# Altium PCB PCB (aXe-TP430s in Konflikt stehende Kopie 2017-02-18).PcbDoc (part 1 of 2) (continued)
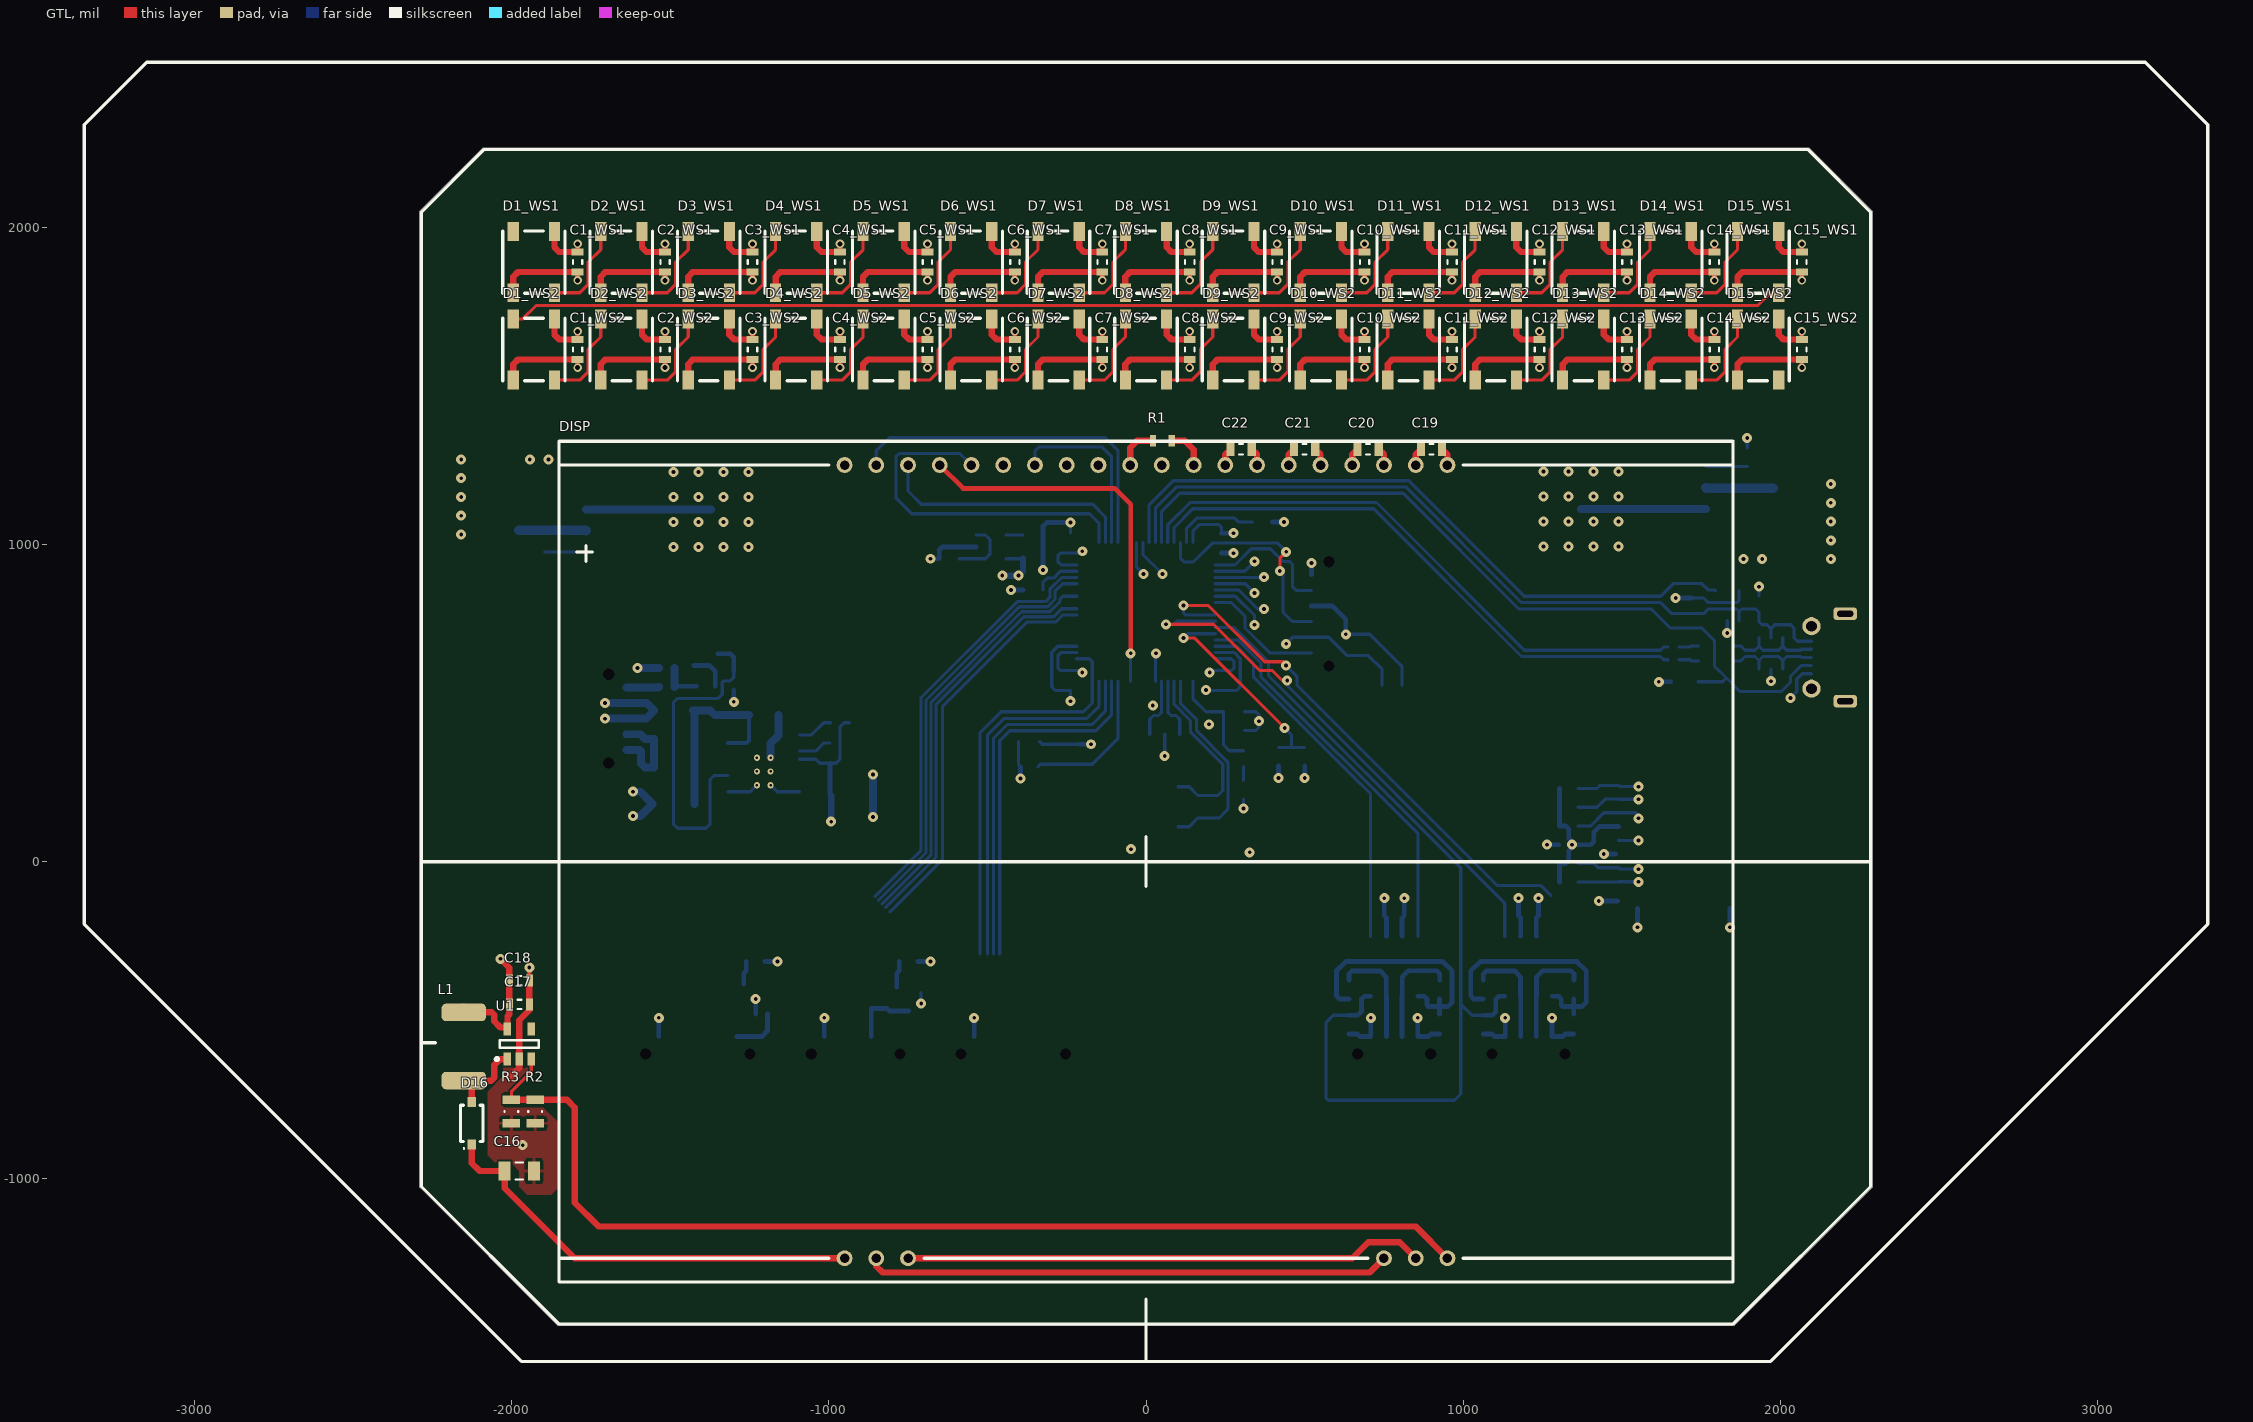
[diagram p0: GTL view]
## Components (designator, comment, footprint, x,y, rotation, side; value= is the part's Value field where it differs from the comment)
C1_WS1 "100nF" C0603H08_M -1791.34,1889.76 r270 top (schematic designator C1)
C1_WS2 "100nF" C0603H08_M -1791.34,1614.17 r270 top (schematic designator C1)
C2_WS1 "100nF" C0603H08_M -1515.75,1889.76 r270 top (schematic designator C2)
C2_WS2 "100nF" C0603H08_M -1515.75,1614.17 r270 top (schematic designator C2)
C3_WS1 "100nF" C0603H08_M -1240.16,1889.76 r270 top (schematic designator C3)
C3_WS2 "100nF" C0603H08_M -1240.16,1614.17 r270 top (schematic designator C3)
C4_WS1 "100nF" C0603H08_M -964.57,1889.76 r270 top (schematic designator C4)
C4_WS2 "100nF" C0603H08_M -964.57,1614.17 r270 top (schematic designator C4)
C5_WS1 "100nF" C0603H08_M -688.98,1889.76 r270 top (schematic designator C5)
C5_WS2 "100nF" C0603H08_M -688.98,1614.17 r270 top (schematic designator C5)
C6_WS1 "100nF" C0603H08_M -413.39,1889.76 r270 top (schematic designator C6)
C6_WS2 "100nF" C0603H08_M -413.39,1614.17 r270 top (schematic designator C6)
C7_WS1 "100nF" C0603H08_M -137.8,1889.76 r270 top (schematic designator C7)
C7_WS2 "100nF" C0603H08_M -137.8,1614.17 r270 top (schematic designator C7)
C8_WS1 "100nF" C0603H08_M 137.8,1889.76 r270 top (schematic designator C8)
C8_WS2 "100nF" C0603H08_M 137.8,1614.17 r270 top (schematic designator C8)
C9_WS1 "100nF" C0603H08_M 413.39,1889.76 r270 top (schematic designator C9)
C9_WS2 "100nF" C0603H08_M 413.39,1614.17 r270 top (schematic designator C9)
C10_WS1 "100nF" C0603H08_M 688.98,1889.76 r270 top (schematic designator C10)
C10_WS2 "100nF" C0603H08_M 688.98,1614.17 r270 top (schematic designator C10)
C11_WS1 "100nF" C0603H08_M 964.57,1889.76 r270 top (schematic designator C11)
C11_WS2 "100nF" C0603H08_M 964.57,1614.17 r270 top (schematic designator C11)
C12_WS1 "100nF" C0603H08_M 1240.16,1889.76 r270 top (schematic designator C12)
C12_WS2 "100nF" C0603H08_M 1240.16,1614.17 r270 top (schematic designator C12)
C13_WS1 "100nF" C0603H08_M 1515.75,1889.76 r270 top (schematic designator C13)
C13_WS2 "100nF" C0603H08_M 1515.75,1614.17 r270 top (schematic designator C13)
C14_WS1 "100nF" C0603H08_M 1791.34,1889.76 r270 top (schematic designator C14)
C14_WS2 "100nF" C0603H08_M 1791.34,1614.17 r270 top (schematic designator C14)
C15_WS1 "100nF" C0603H08_M 2066.93,1889.76 r270 top (schematic designator C15)
C15_WS2 "100nF" C0603H08_M 2066.93,1614.17 r270 top (schematic designator C15)
C16 "220nF" C0805H085_L -1975,-975 r180 top
C17 "100nF" C0603H08_M -1975,-450 r0 top
C18 "1µF" C0603H08_M -1975,-375 r0 top
C19 "4.7µF" C0603H08_L 900,1300 r0 top
C20 "4.7µF" C0603H08_L 700,1300 r0 top
C21 "4.7µF" C0603H08_L 500,1300 r0 top
C22 "4.7µF" C0603H08_L 300,1300 r0 top
C23 "6pF" C0603H08_L 190.95,104.33 r90 bottom
C24 "6pF" C0603H08_L 190.95,242.13 r90 bottom
C25 "2.2µF" C0603H08_M 366.14,1070.87 r0 bottom
C26 "2.2µF" C0603H08_M -356.3,856.3 r180 bottom
C27 "100nF" C0603H08_M 775.59,555.12 r0 bottom
C28 "4.7µF" C0603H08_L -368.11,377.95 r0 bottom
C29 "4.7µF" C0603H08_L -269.68,338.58 r90 bottom
C30 "4.7µF" C0603H08_L 277.56,413.39 r0 bottom
C31 "100nF" C0603H08_M -210.63,338.58 r90 bottom
C32 "4.7µF" C0603H08_L 277.56,472.44 r0 bottom
C33 "100nF" C0603H08_M -238.19,570.87 r90 bottom
C34 "100nF" C0603H08_M 238.19,570.87 r270 bottom
C35 "100nF" C0603H08_M -238.19,1003.94 r90 bottom
C36 "100nF" C0603H08_M 238.19,1003.94 r270 bottom
C37 "2.2µF" C0603H08_M 1931.85,806.5 r270 bottom
C38 "100nF" C0603H08_M 1332.68,53.54 r180 bottom
C40 "10µF 16V Tantal" C1206H08_M 2031.5,1177.17 r0 bottom
C41 "10µF 16V Tantal" C1206H08_M -2031.5,1044.29 r180 bottom
C42 "100µF" C1210_TANTAL_M 2031.5,1062.99 r0 bottom
C43 "100µF" C1210_TANTAL_M -2031.5,1158.46 r180 bottom
C44 "10µF" C0603H08_L 2031.5,952.76 r0 bottom
C45 "10µF" C0603H08_L -2031.5,1268.7 r180 bottom
C46 "100nF" C0603H08_M 782.48,-152.56 r0 bottom
C47 "100nF" C0603H08_M 1205.71,-152.56 r0 bottom
C48 "100nF" C0603H08_M 925.2,-511.81 r270 bottom
C49 "100nF" C0603H08_M 1348.43,-511.81 r270 bottom
C51 "47µF" C1210_TANTAL_M -1489.17,182.09 r180 bottom
C52 "220nF" C0805H085_L -1204.72,461.61 r180 bottom
C53 "100nF" C0603H08_M -964.57,374.02 r180 bottom
C54 "22µF" C1210H125_M -926.18,207.68 r0 bottom
C55 "100nF" C0603H08_M -964.57,310.04 r180 bottom
C56 "2.2µF" C0603H08_M -356.3,954.72 r180 bottom
C57 "10nF" C0603H08_M -356.3,1029.53 r0 bottom
C58 "2.2µF" C0603H08_M -620.08,954.72 r0 bottom
CAN1 "DF13-4P-1.25H(20)" DF13-4P-1.25H(20) 757.87,-551.18 r0 bottom
CAN2 "DF13-4P-1.25H(20)" DF13-4P-1.25H(20) 1181.1,-551.18 r0 bottom
CMC1 "WURTH ELEKTRONIK - 744232090 - SIGNALFILTER, SMD, 90OHM, 370MA" "Murata 1206 CMC" 1851.38,680.12 r180 bottom
D1_WS1 "WS2812B" WS2812B -1929.13,1889.76 r90 top (schematic designator D1)
D1_WS2 "WS2812B" WS2812B -1929.13,1614.17 r90 top (schematic designator D1)
D2_WS1 "WS2812B" WS2812B -1653.54,1889.76 r90 top (schematic designator D2)
D2_WS2 "WS2812B" WS2812B -1653.54,1614.17 r90 top (schematic designator D2)
D3_WS1 "WS2812B" WS2812B -1377.95,1889.76 r90 top (schematic designator D3)
D3_WS2 "WS2812B" WS2812B -1377.95,1614.17 r90 top (schematic designator D3)
D4_WS1 "WS2812B" WS2812B -1102.36,1889.76 r90 top (schematic designator D4)
D4_WS2 "WS2812B" WS2812B -1102.36,1614.17 r90 top (schematic designator D4)
D5_WS1 "WS2812B" WS2812B -826.77,1889.76 r90 top (schematic designator D5)
D5_WS2 "WS2812B" WS2812B -826.77,1614.17 r90 top (schematic designator D5)
D6_WS1 "WS2812B" WS2812B -551.18,1889.76 r90 top (schematic designator D6)
D6_WS2 "WS2812B" WS2812B -551.18,1614.17 r90 top (schematic designator D6)
D7_WS1 "WS2812B" WS2812B -275.59,1889.76 r90 top (schematic designator D7)
D7_WS2 "WS2812B" WS2812B -275.59,1614.17 r90 top (schematic designator D7)
D8_WS1 "WS2812B" WS2812B 0,1889.76 r90 top (schematic designator D8)
D8_WS2 "WS2812B" WS2812B 0,1614.17 r90 top (schematic designator D8)
D9_WS1 "WS2812B" WS2812B 275.59,1889.76 r90 top (schematic designator D9)
D9_WS2 "WS2812B" WS2812B 275.59,1614.17 r90 top (schematic designator D9)
D10_WS1 "WS2812B" WS2812B 551.18,1889.76 r90 top (schematic designator D10)
D10_WS2 "WS2812B" WS2812B 551.18,1614.17 r90 top (schematic designator D10)
D11_WS1 "WS2812B" WS2812B 826.77,1889.76 r90 top (schematic designator D11)
D11_WS2 "WS2812B" WS2812B 826.77,1614.17 r90 top (schematic designator D11)
D12_WS1 "WS2812B" WS2812B 1102.36,1889.76 r90 top (schematic designator D12)
D12_WS2 "WS2812B" WS2812B 1102.36,1614.17 r90 top (schematic designator D12)
D13_WS1 "WS2812B" WS2812B 1377.95,1889.76 r90 top (schematic designator D13)
D13_WS2 "WS2812B" WS2812B 1377.95,1614.17 r90 top (schematic designator D13)
D14_WS1 "WS2812B" WS2812B 1653.54,1889.76 r90 top (schematic designator D14)
D14_WS2 "WS2812B" WS2812B 1653.54,1614.17 r90 top (schematic designator D14)
D15_WS1 "WS2812B" WS2812B 1929.13,1889.76 r90 top (schematic designator D15)
D15_WS2 "WS2812B" WS2812B 1929.13,1614.17 r90 top (schematic designator D15)
D16 "LS MBR0540" SOD123_H -2125,-825 r90 top
D17 "LS CD0603" "CD 0603" 307.09,324.8 r90 bottom
D18 "WURTH ELEKTRONIK - 824015 - DIODENARRAY, TVS" SOT95P255X116-6N 1969.49,656.5 r90 bottom
D19 "LS CD0603" "CD 0603" 1721.85,806.5 r270 bottom
D20 "LS PMEG6020ER" SOD-123W -1489.17,297.24 r180 bottom
D21 "LS PMEG6020ER" SOD-123W -1489.17,386.81 r180 bottom
D22 "LS CD0603" "CD 0603" -1510.83,551.18 r0 bottom
D23 "LS PMEG6020ER" SOD-123W -1489.17,476.38 r180 bottom
D24 "LS CD0603" "CD 0603" -1510.83,610.24 r0 bottom
D25 "Diode Array BAT_54C" SOT95P245X110-3N -1386.81,655.51 r0 bottom
DISP "EA DOGXL240-7" "DOGXL240*-7 + LED" 0,0 r0 top locked
GPS "DF13-6P-1.25H(20)" DF13-6P-1.25H(20) -1387.8,-551.18 r0 bottom
IC1 "CAN Transceiver SN65HVD1040A" SOIC127P600X175-8N 782.48,-329.72 r270 bottom
IC2 "CAN Transceiver SN65HVD1040A" SOIC127P600X175-8N 1205.71,-329.72 r270 bottom
ISP "DF13-6P-1.25H(20)" DF13-6P-1.25H(20) 521.85,805.71 r90 bottom
L1 "IND DO1608C-473M 47µH 500mA" DO1608C -2150,-689.96 r90 top value=47µH
L2 "742792515" R0603H05_L -368.11,299.21 r0 bottom
P_IN "DF13-5P-1.25H(20)" DF13-5P-1.25H(20) -1637.8,450.79 r270 bottom
Q1 "Enhanced single channel power switches" SOT-23-5 1831.85,806.5 r90 bottom
Q2 "Enhanced single channel power switches" SOT-23-5 -1230.31,-433.07 r90 bottom
Q3 "2N7002" SOT95P245X110-3N -748.03,-433.07 r270 bottom
R1 "10M" R0603H05_M 51.85,1326.5 r180 top
R2 ".Resistor" R0805H05_M -1925,-787.4 r90 top
R3 ".Resistor" R0805H05_M -2000,-787.4 r90 top
R4 ".Resistor" R0603H05_M 500,330.71 r90 bottom
R5 ".Resistor" R0603H05_M 417.32,330.71 r270 bottom
R6 ".Resistor" R0603H05_M 307.09,226.38 r90 bottom
R7 "Varistor 0805 4V WE 82550040" "Varistor 0805" 1696.85,566.93 r180 bottom
R8 ".Resistor" R0603H05_M 1332.68,230.71 r0 bottom
R9 ".Resistor" R0603H05_M 1332.68,171.65 r0 bottom
R10 ".Resistor" R0603H05_M 1332.68,112.6 r0 bottom
R11 ".Resistor" R0603H05_M 1332.68,-5.51 r0 bottom
R12 ".Resistor" R0603H05_M 1332.68,-64.57 r0 bottom
R13 "22R" R0402H04_M 1661.85,676.5 r180 bottom
R14 "22R" R0402H04_M 1661.85,636.5 r180 bottom
R15 "1k" R0603H05_M 1894.68,1274.61 r270 bottom
R16 "1k" R0603H05_M -1894.69,946.85 r90 bottom
R17 ".Resistor" R0603H05_M 925.2,-403.54 r270 bottom
R18 ".Resistor" R0603H05_M 1348.43,-403.54 r270 bottom
R19 ".Resistor" R0603H05_M 639.76,-403.54 r270 bottom
R20 ".Resistor" R0603H05_M 1062.99,-403.54 r270 bottom
R21 ".Resistor" R0603H05_M 639.76,-513.78 r270 bottom
R22 ".Resistor" R0603H05_M 1062.99,-513.78 r270 bottom
R23 "1k" R0603H05_M -1230.31,-314.96 r0 bottom
R24 ".Resistor" R0603H05_M -866.14,-433.07 r270 bottom
R25 ".Resistor" R0603H05_M -748.03,-314.96 r180 bottom
R26 ".Resistor" R0603H05_M -1386.81,553.15 r0 bottom
R27 "10k" R0603H05_M -1299.21,570.87 r90 bottom
R28 "10k" R0603H05_M -964.57,437.99 r0 bottom
RaceDAC "DF13-5P-1.25H(20)" DF13-5P-1.25H(20) -915.35,-551.18 r0 bottom
RF-868P_LR "DF13-6P-1.25H(20)" DF13-6P-1.25H(20) -393.7,-551.18 r0 bottom
U1 "CAT4238" SOT-23-5 -1975,-575 r90 top
U2 "STM32F405RGT6" STM-LQFP64_N 0,787.4 r90 bottom locked
U3 "MIC29151-5.0" "5-Pin TO-263" 1518.7,1111.22 r180 bottom
U4 "MIC29151-5.0" "5-Pin TO-263" -1518.7,1110.24 r0 bottom
U5 "TPS7B6750" TSOP65P640X120_HS-21N -1204.72,284.45 r180 bottom
U6 "LDO TPS799xx Ultra Low Noise, HIGH PSRR, 200mA" SOT-23-5 -488.19,992.13 r0 bottom
USB "Molex Micro USB B" "Micro USB Molex" 2203.74,781.5 r270 bottom
X1 "ABRACON - ABS25-32.768KHZ-6-1-T - QUARZ, 32.768KHZ, 6PF, SMD" "Abracon ABS25 Series Crystal" -7.87,173.23 r180 bottom value=32.768khz
X2 "8MHz, 33pF" CSTCE_G15 59.06,401.57 r0 bottom value=8Mhz
µSD "Micro SD Connector" "Micro SD Connector 502774" 1490.16,-109.84 r90 bottom locked

## Footprints (in the part's own frame and the unit in brackets; to place one, negate y for a bottom-side part, rotate by r counter-clockwise, add the part's x,y. Pads: shape width x height; smd on the part's side, far side on the other; paste and mask are expansions set on the pad)
"5-Pin TO-263" [mm] "D2-PAK, 6-Pads, Body 7,68x8,69mm (max), IPC Medium Density"
  rect 4.15x1 smd: 1(-6.25,3.4) 2(-6.25,1.7) 3(-6.25,0) 4(-6.25,-1.7) 5(-6.25,-3.4)
  rect 9.1x10.05 smd: 6(3.75,0)
  silkscreen extent -6.38,-5.35 -1.2,5.35, body extent -6.9,-5.08 7.11,5.08, height 4.56
"Abracon ABS25 Series Crystal" [mm]
  rect 1.3x1.9 smd: 1(-2.75,-1.6) 2(2.75,-1.6) 3(2.75,1.6) 4(-2.75,1.6)
  silkscreen extent -4.2,-2.2 4.2,2.2, body extent -4,-2 4,2, height 2.7
C0603H08_L [mm] "Chip Capacitor, 2-Leads, Body 1,60x0,80mm, IPC Low Density"
  rect 0.65x1.05 smd: 1(-0.85,0) 2(0.85,0)
  silkscreen extent -0.15,-0.43 0.15,0.43, body extent -0.85,-0.45 0.85,0.45, height 0.8
C0603H08_M [mm] "Chip Capacitor, 2-Leads, Body 1,60x0,80mm, IPC Medium Density"
  rect 0.55x0.95 smd: 1(-0.8,0) 2(0.8,0)
  silkscreen extent -0.15,-0.38 0.15,0.38, body extent -0.85,-0.45 0.85,0.45, height 0.8
C0805H085_L [mm] "Chip Capacitor, 2-Leads, Body 2,00x1,25mm, IPC Low Density"
  rect 0.95x1.55 smd: 1(-1.175,0) 2(1.175,0)
  silkscreen extent -0.3,-0.67 0.3,0.67, body extent -1.1,-0.72 1.1,0.72, height 0.85
C1206H08_M [mm] "Chip Capacitor, 2-Leads, Body 3,20x1,60mm, IPC Medium Density"
  rect 1.3x1.8 smd: 1(-1.4,0) 2(1.4,0)
  silkscreen extent -0.35,-0.8 0.35,0.8, body extent -1.7,-0.9 1.7,0.9, height 0.8
C1210_TANTAL_M [mm] "Tantal Capacitor, 2-Leads, Body 3,20x2,50mm, IPC Medium Density"
  rect 0.95x2.8 smd: 1(-1.675,0) 2(1.675,0)
  silkscreen extent -2,-1.3 0.8,2.25, body extent -1.85,-1.46 1.85,1.47, height 2.03
C1210H125_M [mm] "Chip Capacitor, 2-Leads, Body 3,20x2,50mm, IPC Medium Density"
  rect 0.95x2.8 smd: 1(-1.675,0) 2(1.675,0)
  silkscreen extent -0.8,-1.3 0.8,1.3, body extent -1.8,-1.4 1.8,1.4, height 1.25
"CD 0603" [mm]
  rect 1x1 smd: 1(-0.625,0) 2(0.625,0)
  body extent -0.9,-0.5 0.9,0.5, height 0.85
CSTCE_G15 [mm]
  rect 0.4x2.1 smd: 1(-1.2,0) 2(0,0) 3(1.2,0)
  silkscreen extent -1.6,-0.72 1.6,0.72, body extent -1.6,-0.65 1.6,0.65, height 0.7
DF13-4P-1.25H(20) [mm] "SMT Type Right Angle"
  rect 0.7x1.8 smd: 1(2.5,0) 2(1.25,0) 3(0,0) 4(-1.25,0)
  rect 1.6x2.2 smd: ""(-3.45,3.3) ""(4.7,3.3)
  round 0 hole 0.9 unplated: ""(-2.3,1.4) ""(3.55,1.4)
  body extent -4.2,-0.5 5.45,6, height 3.58
DF13-5P-1.25H(20) [mm] "SMT Type Right Angle"
  rect 0.7x1.8 smd: 1(2.5,0) 2(1.25,0) 3(0,0) 4(-1.25,0) 5(-2.5,0)
  rect 1.6x2.2 smd: ""(-4.7,3.3) ""(4.7,3.3)
  round 0 hole 0.9 unplated: ""(-3.55,1.4) ""(3.55,1.4)
  body extent -5.45,-0.5 5.45,6, height 3.58
DF13-6P-1.25H(20) [mm] "SMT Type Right Angle"
  rect 0.7x1.8 smd: 1(2.5,0) 2(1.25,0) 3(0,0) 4(-1.25,0) 5(-2.5,0) 6(-3.75,0)
  rect 1.6x2.2 smd: ""(-5.95,3.3) ""(4.7,3.3)
  round 0 hole 0.9 unplated: ""(-4.8,1.4) ""(3.55,1.4)
  body extent -6.7,-0.5 5.45,6, height 3.58
DO1608C [mm]
  rrect50% 1.4x3.56 smd: 1(0,0) 2(5.46,0)
  body extent -0.55,-2.22 6.05,2.23, height 2.92
"DOGXL240*-7 + LED" [mil] "incl. LED-Beleuchtung ohne Tuch"
  round 50 hole 30: 1(-950,-1250) 2(-850,-1250) 3(-750,-1250) 18(750,-1250) 19(850,-1250) 20(950,-1250) 21(950,1250) 22(850,1250) 23(750,1250) 24(650,1250) 25(550,1250) 26(450,1250) 27(350,1250) 28(250,1250) 29(150,1250) 30(50,1250) 31(-50,1250) 32(-150,1250) 33(-250,1250) 34(-350,1250) 35(-450,1250) 36(-550,1250) 37(-650,1250) 38(-750,1250) 39(-850,1250) 40(-950,1250)
  silkscreen extent -1850,-1325 1850,1325, body extent -1850,-1250 1850,1250, height 228
"Micro SD Connector 502774" [mm]
  rect 0.8x1.5 smd: 1(8.9,0) 2(7.8,0) 3(6.7,0) 4(5.6,0) 5(4.5,0) 6(3.4,0) 7(2.3,0) 8(1.2,0)
  rect 1.29x1.3 smd: 9(-0.96,1.5) 10(-0.96,8.9)
  rect 1.5x1.7 smd: 11(-0.54,14.95) 11(12.45,14.95)
  rect 1.6x1.3 smd: 11(-0.35,-0.1)
  rect 1.7x1.5 smd: 11(12.45,0)
  silkscreen extent -1,2.45 11.42,20.15, body extent -1.15,-0.6 13.15,17.45, height 1.78
"Micro USB Molex" [mm]
  rect 0.4x1.35 smd: 1(2.2,2.7) 2(2.85,2.7) 3(3.5,2.7) 4(4.15,2.7) 5(4.8,2.7)
  rrect50% 1x1.9 hole 0.5 slot 1.3 at 90 deg: 6(0,0) 6(7,0)
  rect 1x1.9 smd: 6(0.625,0) 6(6.375,0)
  round 1.45 hole 0.85: 6(1,2.7) 6(6,2.7)
  silkscreen extent -0.87,-2.02 7.9,2.8, body extent -0.6,-2.65 7.6,2.78, height 2.68
"Murata 1206 CMC" [mm]
  rect 0.9x0.9 smd: 1(0,0) 2(2.8,0) 3(2.8,-1.2) 4(0,-1.2)
  silkscreen extent 0.7,-1.5 2.1,0.2, body extent -0.2,-1.41 3,0.21, height 1.94
R0402H04_M [mm] "Chip Resistor, 2-Leads, Body 1,00x0,50mm, IPC Medium Density"
  rect 0.4x0.6 smd: 1(-0.45,0) 2(0.45,0)
  body extent -0.52,-0.28 0.53,0.27, height 0.4
R0603H05_L [mm] "Chip Resistor, 2-Leads, Body 1,57x0,85mm, IPC Low Density"
  rect 0.9x1.05 smd: 1(-0.7,0) 2(0.7,0)
  body extent -0.82,-0.48 0.82,0.47, height 0.5
R0603H05_M [mm] "Chip Resistor, 2-Leads, Body 1,57x0,85mm, IPC Medium Density"
  rect 0.5x0.95 smd: 1(-0.75,0) 2(0.75,0)
  body extent -0.82,-0.48 0.82,0.48, height 0.5
R0805H05_M [mm] "Chip Resistor, 2-Leads, Body 2,05x1,25mm, IPC Medium Density"
  rect 0.7x1.4 smd: 1(-0.95,0) 2(0.95,0)
  silkscreen extent -0.05,-0.55 0.05,0.55, body extent -1.1,-0.7 1.1,0.7, height 0.5
SOD123_H [mm] "SOD, 2-Leads, Body 1,60x3,75mm, IPC High Density"
  rect 0.8x0.65 smd: 1(-1.7,0) 2(1.7,0)
  silkscreen extent -2.05,-0.9 1.45,0.9, body extent -1.85,-0.8 1.85,0.8, height 1.25
SOD-123W [mm] "SODFL, 2-Leads, Body 1,70x3,50mm, IPC Medium Density"
  rect 1x1.1 smd: 1(-1.55,0) 2(1.55,0)
  silkscreen extent -2,0.8 -1.9,0.9, body extent -1.85,-0.8 1.85,0.8, height 1.25
SOIC127P600X175-8N [mm] "SOIC, 8-Leads, Body 4,90x3,90mm, Pitch 1,27mm, IPC Medium Density"
  rect 2.2x0.6 smd: 1(-2.4,1.905) 2(-2.4,0.635) 3(-2.4,-0.635) 4(-2.4,-1.905) 5(2.4,-1.905) 6(2.4,-0.635) 7(2.4,0.635) 8(2.4,1.905)
  silkscreen extent -2.52,-2.5 0.9,2.88, body extent -3,-2.45 3,2.45, height 1.75
SOT95P245X110-3N [mm] "SOT23, 3-Leads, Body 2,95x2,45mm, Pitch 0,95mm, IPC Medium Density"
  rect 1.5x0.55 smd: 1(-0.95,0.95) 2(-0.95,-0.95) 3(0.95,0)
  silkscreen extent -1.07,-1.55 0.7,1.9, body extent -1.4,-1.45 1.4,1.45, height 1.3
SOT95P255X116-6N [mm] "SOT23, 6-Leads, Body 2,90x2,55mm, Pitch 0,95mm, IPC Medium Density"
  rect 1.1x0.6 smd: 1(-1.25,0.95) 2(-1.25,0) 3(-1.25,-0.95) 4(1.25,-0.95) 5(1.25,0) 6(1.25,0.95)
  silkscreen extent -1.37,-1.5 0.5,1.93, body extent -1.4,-1.45 1.4,1.45, height 1.45
SOT-23-5 [mm] "SOT23, 5-Leads, Body 2,90x2,80mm, Pitch 0,95mm, IPC Medium Density"
  rect 1.05x0.6 smd: 1(-1.2,0.95) 2(-1.2,0) 3(-1.2,-0.95) 4(1.2,-0.95) 5(1.2,0.95)
  silkscreen extent -1.32,-1.55 0.3,1.93, body extent -1.25,-1.5 1.25,1.5, height 1.06
STM-LQFP64_N [mm] "Thin QFP, 64-Leads, Body 10x10mm, Pitch 0.5mm, IPC Medium Density"
  oval 1.8x0.3 smd: 1(-5.55,3.75) 2(-5.55,3.25) 3(-5.55,2.75) 4(-5.55,2.25) 5(-5.55,1.75) 6(-5.55,1.25) 7(-5.55,0.75) 8(-5.55,0.25) 9(-5.55,-0.25) 10(-5.55,-0.75) 11(-5.55,-1.25) 12(-5.55,-1.75) 13(-5.55,-2.25) 14(-5.55,-2.75) 15(-5.55,-3.25) 16(-5.55,-3.75) 33(5.55,-3.75) 34(5.55,-3.25) 35(5.55,-2.75) 36(5.55,-2.25) 37(5.55,-1.75) 38(5.55,-1.25) 39(5.55,-0.75) 40(5.55,-0.25) 41(5.55,0.25) 42(5.55,0.75) 43(5.55,1.25) 44(5.55,1.75) 45(5.55,2.25) 46(5.55,2.75) 47(5.55,3.25) 48(5.55,3.75)
  oval 0.3x1.8 smd: 17(-3.75,-5.55) 18(-3.25,-5.55) 19(-2.75,-5.55) 20(-2.25,-5.55) 21(-1.75,-5.55) 22(-1.25,-5.55) 23(-0.75,-5.55) 24(-0.25,-5.55) 25(0.25,-5.55) 26(0.75,-5.55) 27(1.25,-5.55) 28(1.75,-5.55) 29(2.25,-5.55) 30(2.75,-5.55) 31(3.25,-5.55) 32(3.75,-5.55) 49(3.75,5.55) 50(3.25,5.55) 51(2.75,5.55) 52(2.25,5.55) 53(1.75,5.55) 54(1.25,5.55) 55(0.75,5.55) 56(0.25,5.55) 57(-0.25,5.55) 58(-0.75,5.55) 59(-1.25,5.55) 60(-1.75,5.55) 61(-2.25,5.55) 62(-2.75,5.55) 63(-3.25,5.55) 64(-3.75,5.55)
  silkscreen extent -5.67,-4.25 4.25,4.58, body extent -6,-6 6,6, height 1.5
TSOP65P640X120_HS-21N [mm] "TSOP, 20-Leads, Body 6,50x4,40mm, Pitch 0,65mm, Thermal Pad 3,40.2x2,40.2mm, IPC Medium Density"
  oval 1.7x0.35 smd: 1(-2.85,2.925) 2(-2.85,2.275) 3(-2.85,1.625) 4(-2.85,0.975) 5(-2.85,0.325) 6(-2.85,-0.325) 7(-2.85,-0.975) 8(-2.85,-1.625) 9(-2.85,-2.275) 10(-2.85,-2.925) 11(2.85,-2.925) 12(2.85,-2.275) 13(2.85,-1.625) 14(2.85,-0.975) 15(2.85,-0.325) 16(2.85,0.325) 17(2.85,0.975) 18(2.85,1.625) 19(2.85,2.275) 20(2.85,2.925)
  rect 2.4x3.4 smd: 21(0,0)
  silkscreen extent -2.98,-3.3 1.6,3.77, body extent -3.27,-3.3 3.28,3.3, height 1.2
"Varistor 0805" [mm]
  rect 0.75x1.3 smd: 1(-1.1,0) 2(1.1,0)
  silkscreen extent -0.35,-0.55 0.35,0.55, body extent -1,-0.62 1,0.63
WS2812B [mm]
  rect 1.5x0.9 smd: 1(-2.45,1.65) 2(-2.45,-1.65) 3(2.45,-1.65) 4(2.45,1.65)
  silkscreen extent -2.5,-2.5 2.5,2.5, body extent -2.7,-2.5 2.7,2.5, height 1.7

## Part data
C1_WS1 C1_WS2 C2_WS1 C2_WS2 C3_WS1 C3_WS2 C4_WS1 C4_WS2 C5_WS1 C5_WS2 C6_WS1 C6_WS2 C7_WS1 C7_WS2 C8_WS1 C8_WS2 C9_WS1 C9_WS2 C10_WS1 C10_WS2 C11_WS1 C11_WS2 C12_WS1 C12_WS2 C13_WS1 C13_WS2 C14_WS1 C14_WS2 C15_WS1 C15_WS2 C17 C27 C31 C33 C34 C35 C36 C38 C46 C47 C48 C49 C53 C55: library part "C 100nF 100V 0603 MLCC X7R", "C 100nF 100V 0603 MLCC X7R", Temperature Coeffizient="0ppm/°C +- 30ppm/°C", Temperature Range="-55°C to +125°C", Tolerance=+-10%, Voltage Rating=100V, Form="0603 [M 1608]", Price=0.044, Series=X7R
C16 C52: library part "C 220nF 50V 0805 MLCC  Y5V", "C 220nF 50V 0805 MLCC  Y5V", Temperature Range="-30°C to +85°C", Tolerance="+80%, -20%", Voltage Rating=50V, Farnell Order Number=1759269, Form="0805 [M 2012]", Price=0.0252, Series=V5Y
C18: library part "C 1µF 6.3V 0603 MLCC X7R", "C 1µF 6.3V 0603 MLCC X7R", Temperature Coeffizient=N/A, Temperature Range="-55°C to +125°C", Tolerance=+-10%, Voltage Rating=6.3V, Farnell=http://de.farnell.com/kemet/c0603c105k9ractu/kondensator-x7r-0603-6-3v-1uf/dp/1865556, Farnell Order Number=1865556, Form="0603 [M 1608]", Price=0.028, Series=X7R
C19 C20 C21 C22 C28 C29 C30 C32: library part "C 4.7µF 6.3V 0603 MLCC X5R", "C 4.7µF 6.3V 0603 MLCC X5R", Temperature Range="-55°C to +85°C", Tolerance=+-10%, Voltage Rating=6.3V, Farnell Order Number=2496930, Form="0603 [M 1608]", Price=0.045, Series=X5R
C23 C24: library part "C 6pF 50V 0603 MLCC C0G/NP0", "C 6pF 50V 0603 MLCC C0G/NP0", Temperature Coeffizient="0ppm/°C +- 30ppm/°C", Temperature Range="-55°C to +125°C", Tolerance=+-0.5pF, Voltage Rating=50V, Farnell Order Number=1759047, Form="0603 [M 1608]", Price=0.009, Series=C0G/NP0
C25 C26 C37 C56 C58: library part "C 2.2µF 6.3V 0603 MLCC X7R", "C 2.2µF 6.3V 0603 MLCC X7R", Temperature Coeffizient=N/A, Temperature Range="-55°C to +125°C", Tolerance=+-10%, Voltage Rating=6.3V, Farnell=http://de.farnell.com/avx/06036c225kat2a/kondensator-2-2-uf-6-3v-0603-x7r/dp/1657930, Farnell Order Number=1657930, Form="0603 [M 1608]", Price=0.131, Series=X7R
C40 C41: library part "_C 1206", mouser=581-TAJA106K016TNJ
C42 C43: library part "CPT 100µF 6.3V 1210 Tantal", "CPT 100µF 6.3V 1210 Tantal", Voltage Rating=6.3V, mouser=http://www.mouser.de/ProductDetail/AVX/TPSB107K006R0400, Mouser Order Number=581-TPSB107K006R0400
C44 C45: library part "C 10µF 6.3V 0603 MLCC X5R", "C 10µF 6.3V 0603 MLCC X5R", Temperature Coeffizient=N/A, Temperature Range="-55°C to + 85°C", Tolerance=+-20%, Voltage Rating=6.3V, Farnell=http://de.farnell.com/avx/06036d106mat2a/kondensator-0603-x5r-6-3v-10uf/dp/1833804, Farnell Order Number=1833804, Form="0603 [M 1608]", Price=0.167, Series=X5R
C51: library part "CPT 100µF 6.3V 1210 Tantal", "CPT 47µF 16V 1210 Tantal", Voltage Rating=16V, Mouser Order Number=581-TCNT476M016R0150
C54: library part "_C 1210", mouser=80-C1210C226K9RAUTO
C57: library part "_C 0603"
CAN1 CAN2: library part "Hirose DF13-4P-1.25H(20)", "Hirose DF13-4P-1.25H(20)", Circuits=4, Connector Orientation="Right Angle", Model=DF13-4P-1.25H(20), Mounting Style=SMT
CMC1: library part "USB CMC 1206 WE 744232090 Chip CommonMod Choke 1206", Farnell=http://de.farnell.com/wurth-elektronik/744232090/signalfilter-smd-90ohm-370ma/dp/1636474, Farnell Order Number=1636474, Price=0.969
D1_WS1 D1_WS2 D2_WS1 D2_WS2 D3_WS1 D3_WS2 D4_WS1 D4_WS2 D5_WS1 D5_WS2 D6_WS1 D6_WS2 D7_WS1 D7_WS2 D8_WS1 D8_WS2 D9_WS1 D9_WS2 D10_WS1 D10_WS2 D11_WS1 D11_WS2 D12_WS1 D12_WS2 D13_WS1 D13_WS2 D14_WS1 D14_WS2 D15_WS1 D15_WS2: "WS2812B RGB LED"
D16: "Schottky Rectifier, 500mA, 40V"
D18: library part "USB TVS Dioden Array 824015", Farnell=http://de.farnell.com/wurth-elektronik/824015/diodenarray-tvs/dp/1748615, Farnell Order Number=1748615, Price=0.866
D20 D21 D23: "Schottky Rectifier, 2A, 60V"
DISP: "240x128"
GPS ISP RF-868P_LR: library part "Hirose DF13-6P-1.25H(20)", "Hirose DF13-6P-1.25H(20)", Circuits=6, Connector Orientation="Right Angle", Model=DF13-6P-1.25H(20), Mounting Style=SMT
IC1 IC2: "EMC-OPTIMIZED HIGH SPEED CAN TRANSCEIVER", Farnell=http://de.farnell.com/texas-instruments/sn65hvd1040aqdrq1/can-transceiver-1mbps-1dr-1rx-soic/dp/2335646, Farnell Order Number=2335646, Price=1.41
L1: "SMT Power Inductors - DO1608 Series"
L2: library part "Ferrit Bead 0603 1000Ohm 300mA", "Ferrit Bead 0603 1000Ohm 300mA", DC Current=300mA, Value @ 100Mhz="1000 Ohm", DC=0.55Ohm, Farnell=http://de.farnell.com/fair-rite/25060310270/ferrite-perle-1000ohm-0-1-0603/dp/1463451, Farnell Order Number=1463451, Price=0.018
P_IN RaceDAC: library part "Hirose DF13-5P-1.25H(20)", "Hirose DF13-5P-1.25H(20)", Circuits=5, Connector Orientation="Right Angle", Model=DF13-5P-1.25H(20), Mounting Style=SMT
Q1 Q2: library part "HSS STMPS2151 High Side Switch 500mA (2151)/1000mA (2161)", Farnell=http://de.farnell.com/stmicroelectronics/stmps2161str/power-switch-1ch-1000ma-sot23-5/dp/1842615, Farnell Order Number=1842615, Price=0,651
Q3: "N-Channel Enhancement Mode Field Effect Transistor", Manufactor="Texas Instruments"
R1 R13 R14 R15 R16 R23 R27 R28: library part .Resistor
R7: "WURTH ELEKTRONIK - 82550040 - SMD VARISTOR POWER 0805 4VRMS", Farnell=http://de.farnell.com/wurth-elektronik/82550040/smd-varistor-power-0805-4vrms/dp/1636439?Ntt=1636439, Farnell Order Number=1636439, Price=0.598
U1: library part "STU CAT4238", "High Efficiency 10 LED  Boost Converter"
U2: "ARM Cortex-M4 32-bit MCU+FPU, 210 DMIPS, 1024 kB Flash, 192 kB Internal RAM, 51 I/Os, 64-pin LQFP, -40 to 85 degC, Tray", I/Os (High Current)=51, Manufacturer=STMicroelectronics, Operating Frequency(F) (Processor speed) (MHz)=168, Supplier Part Number 1=497-11767-ND, Supply Voltage(Vcc) max (V)=3.6, Supply Voltage(Vcc) min (V)=1.8, ComponentLink1Description="Manufacturer URL", ComponentLink1URL=http://www.st.com/web/en/home.html, ComponentLink2Description=Datasheet, ComponentLink2URL=http://www.st.com/st-web-ui/static/active/en/resource/technical/document/datasheet/DM00037051.pdf, ComponentLink3Description="Package Specification", ComponentLink3URL=http://www.st.com/st-web-ui/static/active/en/resource/technical/document/datasheet/DM00037051.pdf, Core="ARM Cortex-M4", D/A Converter=2x12-bit, DatasheetVersion="Rev. 4", FLASH Size (Prog) (kB)=1024, Internal RAM Size (kB)=192, Mounting Technology="Surface Mount", PackageDescription="64-Pin Low Profile Quad Flat Package, 10 x 10 mm Body, 0.5 mm Pitch", PackageReference=LQFP64, PackageVersion="Rev. 4, 06/2013", Packing=Tray, PartNumber=STM32F405RGT6, Supplier 1=Digi-Key, Supplier 2=Farnell, Supplier 3=Newark, Supplier 4=Mouser, Supplier Part Number 2=2064363, Supplier Part Number 3=73T2329, Supplier Part Number 4=511-STM32F405RGT6
U3 U4: library part "LDO MIC29151 5V 1.5A 26VIN Enable Error Flag TO-263-5", "LDO  5V 1.5A, EN, ERR"
U5: library part "LDO TPS7B6750 5V High-Voltage 450mA Enable", "LDO  5V High-Voltage 450mA Enable"
U6: "200mA, Low Quiescent Current, Ultra-Low Noise, High PSRR  Low Dropout Linear Regulator", Farnell=http://de.farnell.com/texas-instruments/tps79933ddct/v-reg-ldo-0-2a-3-3v-79933-sot5/dp/1135403, Farnell Order Number=1135403, Price=0.707
USB: "MOLEX - 105017-0001 - MICRO USB B, BUCHSE, SMT, RWKL, 5POL", Farnell=http://de.farnell.com/molex/105017-0001/micro-usb-b-buchse-smt-rwkl-5pol/dp/2293836?Ntt=105017-0001, Farnell Order Number=2293836, Price=0.738
X1: library part "Quarz 32.768khz", Farnell=http://de.farnell.com/abracon/abs25-32-768khz-6-1-t/quarz-32-768khz-6pf-smd/dp/2101353, Farnell Order Number=2101353, Load=6pF, Price=0.741
X2: library part "Ceramic Resonator 8Mhz", "MURATA - CSTCE8M00G55Z-R0 - RESONATOR,SMD 8.0MHZ", Farnell=http://de.farnell.com/murata/cstce8m00g55z-r0/resonator-smd-8-0mhz/dp/1615352, Farnell Order Number=1615352, Price=0.338
µSD: library part "Molex MicroSD 502774", "MOLEX - 502774-0891 - BUCHSE, MICROSD, PUSH-PUSH, 1.8MM", Farnell=http://de.farnell.com/molex/502774-0891/buchse-microsd-push-push-1-8mm/dp/2064063, Farnell Order Number=2064063, Price=1.98

## Via types
v1: diameter 31.5, hole 11.81, GTL to GBL, 137 vias
v2: diameter 27.56, hole 15.75, GTL to GBL, 60 vias
v3: diameter 19.68, hole 7.87, GTL to GBL, 6 vias

## Nets (pads, with @x,y where several pads share a name; then routed paths per layer and width w, separated by ;. In a path a pad name is that pad's centre, name@x,y a point inside that pad or via, vN(x,y) a via of type N, cw(c..) or ccw(c..) an arc to the next point about the centre after c; other vN are vias at no path point)
3V3: C28.1 C33.1 C34.1 C35.1 C36.1 C38.1 C56.2 ISP.1 L2.1 R5.2 R6.1 R8.1 R9.1 R10.1 R11.1 R12.1 R25.1 U2.19 U2.32 U2.48 U2.64 U6.5 µSD.4 | length 1780.6
  GBL w10: U6.5@-440.94,954.72 C56.2@-387.8,954.72 ; C28.1@-401.57,377.95 -401.57,305.12 L2.1@-395.67,299.21 ; v1(-238.19,505.91) C33.1@-238.19,539.37 -285.43,539.37 -297.24,551.18 -297.24,659.45 -277.56,679.13 U2.19@-218.5,679.13 ; U2.32@-218.5,935.04 -267.72,935.04 -277.56,944.88 -277.56,964.57 -269.69,972.44 C35.1@-238.19,972.44 -206.69,972.44 v1(-200.79,978.35) ; U2.48@147.64,1005.91 147.64,1041.34 169.29,1062.99 228.35,1062.99 238.19,1053.15 C36.1@238.19,1035.43 ; v1(200.79,596.46) 206.69,602.36 C34.1@238.19,602.36 269.69,602.36 277.56,610.24 277.56,629.92 267.72,639.76 U2.64@218.5,639.76 ; v1(307.09,167.32) R6.1@307.09,196.85
  GBL w15: R25.1@-718.5,-314.96 v1(-679.13,-314.96) ; v1(-395.67,261.81) L2.1@-395.67,299.21 ; C36.1@238.19,1035.43 v1(275.59,1035.43) ; v1(417.32,263.78) R5.2@417.32,301.18 ; ISP.1@521.85,904.13 v1(521.85,941.54) ; R12.1@1303.15,-64.57 R11.1@1303.15,-5.51 1322.83,-5.51 1332.68,4.33 1332.68,33.86 v1@1352.36,53.54 ; R8.1@1303.15,230.71 R9.1@1303.15,171.65 R10.1@1303.15,112.6 1322.83,112.6 1332.68,102.76 1332.68,73.23 v1@1352.36,53.54 ; µSD.4@1490.16,110.63 1429.13,110.63 1411.42,92.91 1411.42,63.39 1401.57,53.54 C38.1@1364.17,53.54 v1@1352.36,53.54
  GBL w20: v1(-452.76,901.57) v1(-401.57,901.57) -387.8,915.35 C56.2@-387.8,954.72
  other v1: 1342.52,53.54
5V: C46.2 C47.2 C54.1 C55.2 C58.2 CAN1.4 CAN2.4 D19.1 IC1.3 IC2.3 Q1.5 Q2.5 R21.2 R22.2 R28.2 U5.4 U6.1 U6.3 | length 8258.9
  GL2 w15: v1(708.66,-492.13) 708.66,-362.2 755.91,-314.96 813.98,-256.89 v1(813.98,-115.16) ; v1(1131.89,-492.13) 1131.89,-362.2 1179.13,-314.96 1237.2,-256.89 v1(1237.2,-115.16)
  GL2 w50: 1179.13,-314.96 755.91,-314.96 -484.25,-314.96 -846.46,47.24 -913.39,47.24 v1(-992.13,125.98) -992.13,858.27 -708.66,1141.73 870.08,1141.73 1200.79,811.02 1649.61,811.02 v1(1669.29,830.71)
  GBL w10: U5.4@-1092.52,322.83 -1041.34,322.83 -1028.54,310.04 C55.2@-996.06,310.04 -977.36,310.04 -964.57,322.83 -964.57,425.2 -951.77,437.99 R28.2@-935.04,437.99 ; C58.2@-588.58,954.72 U6.1@-535.43,954.72 -505.91,954.72 -492.13,968.5 -492.13,1015.75 -505.91,1029.53 U6.3@-535.43,1029.53 ; D19.1@1721.85,831.1 1757.24,831.1 1771.85,816.5 1861.85,816.5 1869.25,823.9 Q1.5@1869.25,853.74
  GBL w15: C55.2@-996.06,310.04 -996.06,211.61 C54.1@-992.13,207.68 ; R21.2@639.76,-543.31 667.32,-543.31 675.2,-551.18 CAN1.4@708.66,-551.18 v1(708.66,-492.13) ; IC1.3@807.48,-235.24 807.09,-234.84 807.09,-177.17 813.98,-170.28 C46.2@813.98,-152.56 v1(813.98,-115.16) ; R22.2@1062.99,-543.31 1090.55,-543.31 1098.43,-551.18 CAN2.4@1131.89,-551.18 v1(1131.89,-492.13) ; IC2.3@1230.71,-235.24 1230.32,-234.84 1230.32,-177.17 1237.2,-170.28 C47.2@1237.2,-152.56 v1(1237.2,-115.16) ; v1(1669.29,830.71) 1669.68,831.1 D19.1@1721.85,831.1
  GBL w20: v1(-992.13,125.98) C54.1@-992.13,207.68
5V_LED: C1_WS1.2 C1_WS2.2 C2_WS1.2 C2_WS2.2 C3_WS1.2 C3_WS2.2 C4_WS1.2 C4_WS2.2 C5_WS1.2 C5_WS2.2 C6_WS1.2 C6_WS2.2 C7_WS1.2 C7_WS2.2 C8_WS1.2 C8_WS2.2 C9_WS1.2 C9_WS2.2 C10_WS1.2 C10_WS2.2 C11_WS1.2 C11_WS2.2 C12_WS1.2 C12_WS2.2 C13_WS1.2 C13_WS2.2 C14_WS1.2 C14_WS2.2 C15_WS1.2 C15_WS2.2 C17.1 C18.1 C42.1 C44.1 D1_WS1.1 D1_WS2.1 D2_WS1.1 D2_WS2.1 D3_WS1.1 D3_WS2.1 D4_WS1.1 D4_WS2.1 D5_WS1.1 D5_WS2.1 D6_WS1.1 D6_WS2.1 D7_WS1.1 D7_WS2.1 D8_WS1.1 D8_WS2.1 D9_WS1.1 D9_WS2.1 D10_WS1.1 D10_WS2.1 D11_WS1.1 D11_WS2.1 D12_WS1.1 D12_WS2.1 D13_WS1.1 D13_WS2.1 D14_WS1.1 D14_WS2.1 D15_WS1.1 D15_WS2.1 L1.2 U1.5 U3.4 | length 20153.5
  GTL w15: v2(-1791.34,1556.77) C1_WS2.2@-1791.34,1582.68 ; v2(-1791.34,1832.36) C1_WS1.2@-1791.34,1858.27 ; v2(-1515.75,1556.77) C2_WS2.2@-1515.75,1582.68 ; v2(-1515.75,1832.36) C2_WS1.2@-1515.75,1858.27 ; v2(-1240.16,1556.77) C3_WS2.2@-1240.16,1582.68 ; v2(-1240.16,1832.36) C3_WS1.2@-1240.16,1858.27 ; v2(-964.57,1556.77) C4_WS2.2@-964.57,1582.68 ; v2(-964.57,1832.36) C4_WS1.2@-964.57,1858.27 ; v2(-688.98,1556.77) C5_WS2.2@-688.98,1582.68 ; v2(-688.98,1832.36) C5_WS1.2@-688.98,1858.27 ; v2(-413.39,1556.77) C6_WS2.2@-413.39,1582.68 ; v2(-413.39,1832.36) C6_WS1.2@-413.39,1858.27 ; v2(-137.8,1556.77) C7_WS2.2@-137.8,1582.68 ; v2(-137.8,1832.36) C7_WS1.2@-137.8,1858.27 ; v2(137.8,1556.77) C8_WS2.2@137.8,1582.68 ; v2(137.8,1832.36) C8_WS1.2@137.8,1858.27 ; v2(413.39,1556.77) C9_WS2.2@413.39,1582.68 ; v2(413.39,1832.36) C9_WS1.2@413.39,1858.27 ; v2(688.98,1556.77) C10_WS2.2@688.98,1582.68 ; v2(688.98,1832.36) C10_WS1.2@688.98,1858.27 ; v2(964.57,1556.77) C11_WS2.2@964.57,1582.68 ; v2(964.57,1832.36) C11_WS1.2@964.57,1858.27 ; v2(1240.16,1556.77) C12_WS2.2@1240.16,1582.68 ; v2(1240.16,1832.36) C12_WS1.2@1240.16,1858.27 ; v2(1515.75,1556.77) C13_WS2.2@1515.75,1582.68 ; v2(1515.75,1832.36) C13_WS1.2@1515.75,1858.27 ; v2(1791.34,1556.77) C14_WS2.2@1791.34,1582.68 ; v2(1791.34,1832.36) C14_WS1.2@1791.34,1858.27 ; v2(2066.93,1556.77) C15_WS2.2@2066.93,1582.68 ; v2(2066.93,1832.36) C15_WS1.2@2066.93,1858.27
  GTL w20: L1.2@-2150,-475 -2062.4,-475 -2054.13,-483.27 -2054.13,-502.95 -2034.45,-522.64 -2017.52,-522.64 U1.5@-2012.4,-527.76 -2012.4,-487.4 -2006.5,-481.5 C17.1@-2006.5,-450 C18.1@-2006.5,-375 -2006.5,-334.06 v1(-2034.45,-306.1) ; D1_WS2.1@-1994.09,1517.72 -1994.09,1567.95 -1979.37,1582.68 C1_WS2.2@-1791.34,1582.68 ; D1_WS1.1@-1994.09,1793.31 -1994.09,1843.54 -1979.37,1858.27 C1_WS1.2@-1791.34,1858.27 ; D2_WS2.1@-1718.5,1517.72 -1718.5,1567.95 -1703.78,1582.68 C2_WS2.2@-1515.75,1582.68 ; D2_WS1.1@-1718.5,1793.31 -1718.5,1843.54 -1703.78,1858.27 C2_WS1.2@-1515.75,1858.27 ; D3_WS2.1@-1442.91,1517.72 -1442.91,1567.95 -1428.19,1582.68 C3_WS2.2@-1240.16,1582.68 ; D3_WS1.1@-1442.91,1793.31 -1442.91,1843.54 -1428.19,1858.27 C3_WS1.2@-1240.16,1858.27 ; D4_WS2.1@-1167.32,1517.72 -1167.32,1567.95 -1152.6,1582.68 C4_WS2.2@-964.57,1582.68 ; D4_WS1.1@-1167.32,1793.31 -1167.32,1843.54 -1152.6,1858.27 C4_WS1.2@-964.57,1858.27 ; D5_WS2.1@-891.73,1517.72 -891.73,1567.95 -877.01,1582.68 C5_WS2.2@-688.98,1582.68 ; D5_WS1.1@-891.73,1793.31 -891.73,1843.54 -877.01,1858.27 C5_WS1.2@-688.98,1858.27 ; D6_WS2.1@-616.14,1517.72 -616.14,1567.95 -601.42,1582.68 C6_WS2.2@-413.39,1582.68 ; D6_WS1.1@-616.14,1793.31 -616.14,1843.54 -601.42,1858.27 C6_WS1.2@-413.39,1858.27 ; D7_WS2.1@-340.55,1517.72 -340.55,1567.95 -325.83,1582.68 C7_WS2.2@-137.8,1582.68 ; D7_WS1.1@-340.55,1793.31 -340.55,1843.54 -325.83,1858.27 C7_WS1.2@-137.8,1858.27 ; D8_WS2.1@-64.96,1517.72 -64.96,1567.95 -50.24,1582.68 C8_WS2.2@137.8,1582.68 ; D8_WS1.1@-64.96,1793.31 -64.96,1843.54 -50.24,1858.27 C8_WS1.2@137.8,1858.27 ; D9_WS2.1@210.63,1517.72 210.63,1567.95 225.35,1582.68 C9_WS2.2@413.39,1582.68 ; D9_WS1.1@210.63,1793.31 210.63,1843.54 225.35,1858.27 C9_WS1.2@413.39,1858.27 ; D10_WS2.1@486.22,1517.72 486.22,1567.95 500.95,1582.68 C10_WS2.2@688.98,1582.68 ; D10_WS1.1@486.22,1793.31 486.22,1843.54 500.95,1858.27 C10_WS1.2@688.98,1858.27 ; D11_WS2.1@761.81,1517.72 761.81,1567.95 776.54,1582.68 C11_WS2.2@964.57,1582.68 ; D11_WS1.1@761.81,1793.31 761.81,1843.54 776.54,1858.27 C11_WS1.2@964.57,1858.27 ; D12_WS2.1@1037.4,1517.72 1037.4,1567.95 1052.13,1582.68 C12_WS2.2@1240.16,1582.68 ; D12_WS1.1@1037.4,1793.31 1037.4,1843.54 1052.13,1858.27 C12_WS1.2@1240.16,1858.27 ; D13_WS2.1@1312.99,1517.72 1312.99,1567.95 1327.72,1582.68 C13_WS2.2@1515.75,1582.68 ; D13_WS1.1@1312.99,1793.31 1312.99,1843.54 1327.72,1858.27 C13_WS1.2@1515.75,1858.27 ; D14_WS2.1@1588.58,1517.72 1588.58,1567.95 1603.31,1582.68 C14_WS2.2@1791.34,1582.68 ; D14_WS1.1@1588.58,1793.31 1588.58,1843.54 1603.31,1858.27 C14_WS1.2@1791.34,1858.27 ; D15_WS2.1@1864.17,1517.72 1864.17,1567.95 1878.9,1582.68 C15_WS2.2@2066.93,1582.68 ; D15_WS1.1@1864.17,1793.31 1864.17,1843.54 1878.9,1858.27 C15_WS1.2@2066.93,1858.27
  GTL w50: L1.2@-2152.56,-472.44 L1.2@-2150,-475
  GL2 w50: v1(-2034.45,-306.1) -2034.45,1642.72 -1844.8,1832.36 v2(-1791.34,1832.36) v2(-1515.75,1832.36) v2(-1240.16,1832.36) v2(-964.57,1832.36) v2(-688.98,1832.36) v2(-413.39,1832.36) v2(-137.8,1832.36) v2(137.8,1832.36) v2(413.39,1832.36) v2(688.98,1832.36) v2(964.57,1832.36) v2(1240.16,1832.36) v2(1515.75,1832.36) v2(1791.34,1832.36) v2(2066.93,1832.36) 2106.61,1832.36 2178.15,1760.83 2178.15,1524.61 2138.78,1485.24 ; v2(-1791.34,1556.77) v2(-1515.75,1556.77) v2(-1240.16,1556.77) v2(-964.57,1556.77) v2(-688.98,1556.77) v2(-413.39,1556.77) v2(-137.8,1556.77) v2(137.8,1556.77) v2(413.39,1556.77) v2(688.98,1556.77) v2(964.57,1556.77) v2(1240.16,1556.77) v2(1515.75,1556.77) v2(1791.34,1556.77) v2(2066.93,1556.77) 2067.24,1556.77 2138.78,1485.24 ; v1(1882.87,953.74) v1(1941.93,953.74) 2040.35,1052.17 2040.35,1386.81 2138.78,1485.24
12V: D20.2 D21.2 P_IN.1 P_IN.2 | length 316.2
  GBL w25: P_IN.1@-1637.8,352.36 -1595.47,352.36 -1591.54,348.43 -1591.54,310.04 -1578.74,297.24 D20.2@-1550.2,297.24 D21.2@-1550.2,386.81 -1578.74,386.81 -1593.5,401.57 P_IN.2@-1637.8,401.57